# Altium PCB LimeSDR_1v2s.PcbDoc (part 7 of 9) (continued)
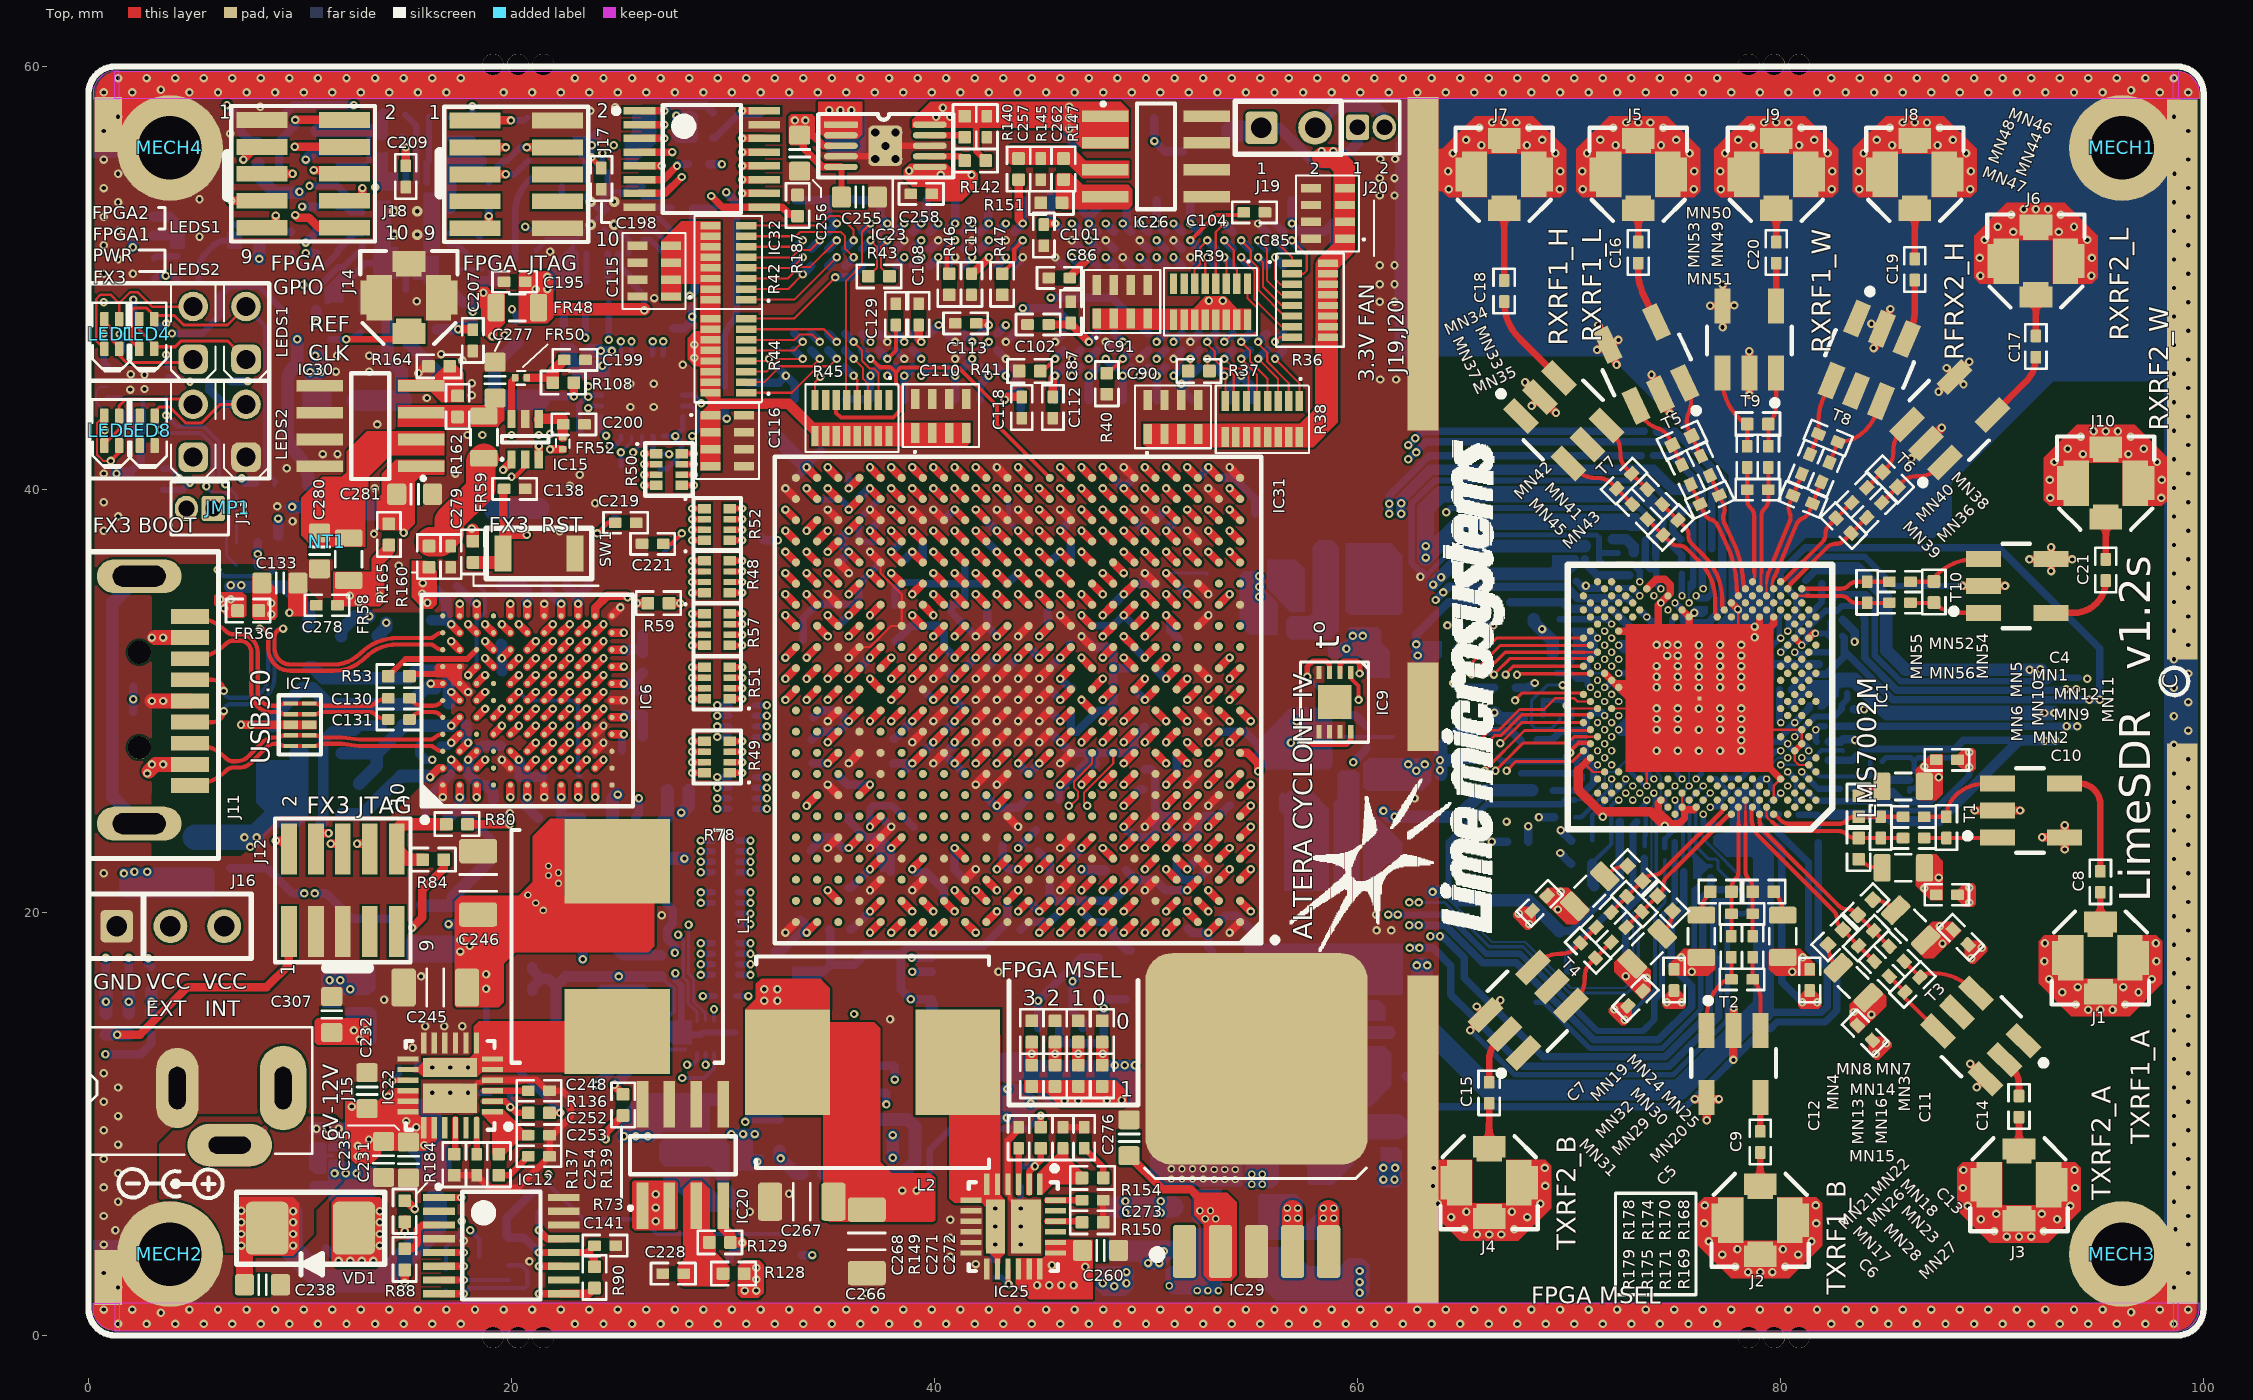
[diagram p0: Top view]
## Nets (pads, with @x,y where several pads share a name; then routed paths per layer and width w, separated by ;. In a path a pad name is that pad's centre, name@x,y a point inside that pad or via, vN(x,y) a via of type N, cw(c..) or ccw(c..) an arc to the next point about the centre after c; other vN are vias at no path point) (continued)
  Bottom w0.25: v1(24.65,42.05) 24.874,42.05 25.175,42.351 IC17.15@25.175,42.525
TCXO_VC: R108.1 R113.2 XT2.1 XT3.1 XT4.1 | length 7.7
  Top w0.4: v1(22.95,44.4) R108.1@22.95,45.05
  Bottom w0.4: XT3.1@21.3,44.2 21.5,44.4 v1(22.95,44.4)
  Bottom w0.6: XT2.1@19.2,44.225 19.2,45.882 R113.2@20.26,46.943
  Bottom w1: XT2.1@19.2,44.225 21.275,44.225 XT3.1@21.3,44.2
TXPLL_CLK: C184.2 R4.2 R97.1 | length 56.7
  L10 w0.1: v1(24.6,47.075) cw(c25.445,47.075) 24.847,47.672 cw(c25.759,46.761) 25.759,48.05 27.073,48.05 cw(c27.073,45.51) 28.869,47.306 cw(c27.164,45.601) 29.575,45.601 29.575,45.594 ccw(c32.115,45.594) 30.091,44.059 ccw(c32.115,45.594) 30.319,43.797 31.009,43.107 cw(c28.985,41.573) 31.525,41.573 31.525,34.875 ccw(c33,34.875) 33,33.4 55.348,33.4 cw(c55.348,30.86) 57.144,32.656 58.256,31.544 ccw(c60.052,33.34) 60.052,30.8 64.404,30.8 ccw(c64.404,30.971) v1(64.525,30.85)
  Bottom w0.309: v1(24.6,47.075) R97.1@24.6,48.813
  Bottom w0.4: v1(64.525,30.85) ccw(c65.068,31.393) 65.068,30.625 R4.2@66.475,30.625
TXRF1_1AB_N: IC1.A7 MN5.1 MN10.1 MN12.1 | length 6.4
  Top w0.2: IC1.A7@79.673,24.648 79.708,24.613 79.756,24.613 80.001,24.369 ccw(c80.426,24.794) 80.426,24.193 82.755,24.193 ccw(c82.755,24.701) 83.114,24.342 83.147,24.374 cw(c83.506,24.015) 83.506,24.523 MN5.1@83.695,24.523 84.095,24.523 84.745,24.523 MN12.1@85.795,24.523
TXRF1_1AB_P: IC1.B8 MN6.1 MN9.2 MN10.2 | length 7.2
  Top w0.11: IC1.B8@79.34,24.981 79.34,24.626 ccw(c79.608,24.626) 79.418,24.436 79.568,24.286
  Top w0.2: 79.611,24.278 79.761,24.128 ccw(c80.426,24.794) 80.426,23.853 82.755,23.853 cw(c82.755,23.345) 83.114,23.704 83.147,23.672 ccw(c83.506,24.031) 83.506,23.523 MN6.1@83.695,23.523 84.745,23.523 MN9.2@85.795,23.523
TXRF1_1BB_N: MN11.1 MN12.2 T1.3 | length 4.2
  Top w0.2: MN12.2@86.795,24.523 MN11.1@87.845,24.523 cw(c89.245,24.523) 88.255,25.512 cw(c89.656,24.111) 89.656,26.093 T1.3@90.113,26.093
TXRF1_1BB_P: MN9.1 MN11.2 T1.1 | length 3.5
  Top w0.2: MN9.1@86.795,23.523 87.195,23.523 MN11.2@87.845,23.523 90.183,23.523 ccw(c90.183,23.625) T1.1@90.255,23.553
TXRF1_2AB_N: IC1.B10 MN21.1 MN26.2 MN28.2 | length 10.2
  Top w0.19: 78.626,24.481 78.626,24.865 cw(c78.79,24.865) IC1.B10@78.674,24.981
  Top w0.2: 78.626,24.481 ccw(c79.876,24.481) 78.992,23.597 82.472,20.117 ; 81.97,20.618 82.405,20.184 ; 82.518,20.071 cw(c82.159,19.712) 82.667,19.712 82.667,19.666 ccw(c83.175,19.666) 82.815,19.307 82.95,19.173 83.232,18.89 MN26.2@83.692,18.43 MN28.2@84.434,17.688
TXRF1_2AB_P: IC1.A9 MN22.1 MN23.2 MN26.1 | length 8.9
  Top w0.2: IC1.A9@79.007,24.648 79.007,24.373 ccw(c79.757,24.373) 79.227,23.843 82.713,20.357 ; 82.758,20.311 ccw(c83.118,20.671) 83.118,20.163 83.163,20.163 cw(c83.163,19.655) 83.523,20.014 83.657,19.88 83.939,19.597 MN26.1@84.399,19.137 MN23.2@85.142,18.395
TXRF1_2BB_N: MN27.1 MN28.1 T3.4 | length 3.5
  Top w0.2: MN28.1@85.142,16.981 MN27.1@85.884,16.238 85.884,16.01 ccw(c86.031,16.01) 85.927,15.906 T3.4@87.444,14.39
TXRF1_2BB_P: MN23.1 MN27.2 T3.6 | length 4
  Top w0.2: MN23.1@85.849,17.688 MN27.2@86.591,16.945 cw(c87.023,16.513) 87.023,17.124 87.249,17.124 cw(c87.249,14.584) 88.987,16.437 cw(c87.249,14.584) 89.032,16.393 cw(c87.249,14.584) 89.045,16.38 T3.6@89.24,16.186
TXRF2_1AB_N: IC1.C11 MN7.1 MN14.1 MN16.1 | length 6.5
  Top w0.11: 78.341,24.809 IC1.C11@78.341,25.314
  Top w0.14: 78.341,24.809 78.341,24.069 78.35,24.059
  Top w0.2: 78.35,24.059 78.35,21.924 ccw(c78.858,21.924) 78.499,21.565 78.532,21.533 cw(c78.173,21.173) 78.681,21.173 MN7.1@78.681,20.984 78.681,20.584 MN14.1@78.68,19.934 MN16.1@78.68,18.884
TXRF2_1AB_P: IC1.B12 MN8.1 MN13.2 MN14.2 | length 6.2
  Top w0.14: IC1.B12@78.008,24.981 cw(c77.979,24.952) 78.02,24.952 78.02,24.069 78.01,24.059
  Top w0.2: MN13.2@77.68,18.884 MN14.2@77.68,19.934 MN8.1@77.68,20.984 77.68,21.173 cw(c78.188,21.173) 77.829,21.533 77.862,21.565 ccw(c77.502,21.924) 78.01,21.924 78.01,24.059
TXRF2_1BB_N: MN15.1 MN16.2 T2.3 | length 3.6
  Top w0.2: MN16.2@78.68,17.884 MN15.1@78.68,16.834 cw(c77.787,15.941) 79.05,15.941 T2.3@79.05,14.424
TXRF2_1BB_P: MN13.1 MN15.2 T2.1 | length 4
  Top w0.2: T2.1@76.51,14.424 76.51,15.014 cw(c78.791,15.014) 77.178,16.626 cw(c77.681,16.124) MN15.2@77.68,16.834 77.68,17.484 MN13.1@77.68,17.884
TXRF2_2AB_N: IC1.B14 MN24.1 MN30.2 MN32.2 | length 7.4
  Top w0.2: MN32.2@71.993,20.007 MN30.2@72.736,20.749 MN24.1@73.478,21.492 73.612,21.626 cw(c73.971,21.266) 73.971,21.774 74.017,21.774 ccw(c74.017,22.282) 74.377,21.923 74.924,22.471 77.242,24.789 cw(c77.466,24.789) 77.307,24.947 IC1.B14@77.342,24.981
TXRF2_2AB_P: IC1.A13 MN25.1 MN29.2 MN30.1 | length 7.4
  Top w0.2: MN29.2@72.7,19.3 MN30.1@73.443,20.042 73.902,20.502 MN25.1@74.185,20.784 74.319,20.919 ccw(c73.96,21.278) 74.468,21.278 74.468,21.324 cw(c74.976,21.324) 74.617,21.683 75.164,22.23 77.482,24.548 ccw(c77.482,24.772) 77.64,24.614 IC1.A13@77.675,24.648
TXRF2_2BB_N: MN31.1 MN32.1 T4.4 | length 3.7
  Top w0.2: T4.4@68.295,17.397 68.503,17.605 cw(c69.58,16.528) 69.58,18.052 69.673,18.052 ccw(c69.673,18.933) 70.296,18.31 MN31.1@70.544,18.557 71.003,19.017 MN32.1@71.286,19.3
TXRF2_2BB_P: MN29.1 MN31.2 T4.6 | length 3.7
  Top w0.2: T4.6@70.091,15.601 70.299,15.809 ccw(c69.221,16.887) 70.745,16.887 70.745,16.979 cw(c71.626,16.979) 71.003,17.602 MN31.2@71.251,17.85 MN29.1@71.993,18.592
VCC1P2: C266.2 C267.2 C294.2 C295.2 C296.2 C297.1 C298.1 C368.1 C369.1 C370.1 C371.1 C372.1 C373.1 C374.1 C375.1 C376.1 C377.1 C378.1 C379.1 C380.1 C381.1 C386.1 C387.1 C388.1 C389.1 C390.1 C391.1 C392.1 C393.1 C394.1 C395.1 C396.1 C397.1 C398.1 C399.1 FR42.2 FR43.2 FR44.2 FR46.1 FR60.1 IC31.G12 IC31.H9 IC31.J10 IC31.J11 IC31.J12 IC31.J13 IC31.J14 IC31.J16 IC31.K9 IC31.K14 IC31.K15 IC31.L9 IC31.L14 IC31.L16 IC31.M9 IC31.M14 IC31.M15 IC31.N9 IC31.N14 IC31.P9 IC31.P10 IC31.P11 IC31.P12 IC31.P13 IC31.P14 IC31.R8 IC31.R10 IC31.R12 L2.2 R149.1 | length 104.2
  Top w0.309: R149.1@45.025,9.85 v1(45.025,10.4)
  Top w0.4: v2(38.95,27.05) IC31.J16@39.45,27.55 ; v2(38.95,29.05) IC31.L16@39.45,29.55 ; v2(39.95,28.05) IC31.K15@40.45,28.55 ; v2(39.95,30.05) IC31.M15@40.45,30.55 ; v2(40.95,27.05) IC31.J14@41.45,27.55 ; v2(40.95,28.05) IC31.K14@41.45,28.55 ; v2(40.95,29.05) IC31.L14@41.45,29.55 ; v2(40.95,30.05) IC31.M14@41.45,30.55 ; v2(40.95,31.05) IC31.N14@41.45,31.55 ; v2(40.95,32.05) IC31.P14@41.45,32.55 ; v2(41.95,27.05) IC31.J13@42.45,27.55 ; v2(41.95,32.05) IC31.P13@42.45,32.55 ; v2(42.95,25.05) IC31.G12@43.45,25.55 ; v2(42.95,27.05) IC31.J12@43.45,27.55 ; v2(42.95,32.05) IC31.P12@43.45,32.55 ; v2(42.95,33.05) IC31.R12@43.45,33.55 ; v2(43.95,27.05) IC31.J11@44.45,27.55 ; v2(43.95,32.05) IC31.P11@44.45,32.55 ; v2(44.95,27.05) IC31.J10@45.45,27.55 ; v2(44.95,32.05) IC31.P10@45.45,32.55 ; v2(44.95,33.05) IC31.R10@45.45,33.55 ; v2(45.95,26.05) IC31.H9@46.45,26.55 ; v2(45.95,28.05) IC31.K9@46.45,28.55 ; v2(45.95,29.05) IC31.L9@46.45,29.55 ; v2(45.95,30.05) IC31.M9@46.45,30.55 ; v2(45.95,31.05) IC31.N9@46.45,31.55 ; v2(45.95,32.05) IC31.P9@46.45,32.55 ; v1(46.95,34.05) IC31.R8@47.45,33.55
  L10 w1.5: 7.625,23.65 7.625,22.6 8.15,22.075 13.7,22.075 14.75,23.125 20.925,23.125 21.425,23.625 27.775,23.625
  L6 w0.4: v2(41.95,32.05) v2(42.95,33.05) ; v2(43.95,32.05) v2(44.95,33.05) 45.95,33.05 v1(46.95,34.05)
  Bottom w0.309: v1(38.475,6.85) v1(39.15,6.85) 39.771,7.471 39.771,8.766 40.775,9.77 44.395,9.77 44.6,9.975 v1(45.025,10.4)
  Bottom w0.4: C388.1@38.05,27.05 v2(38.95,27.05) ; C389.1@38.05,28.225 38.125,28.225 v2(38.95,29.05) ; C295.2@38.15,32.825 38.875,33.55 40.157,33.55 40.45,33.257 C376.1@40.45,32.55 ; 38.625,26.725 v2(38.95,27.05) ; C396.1@39.475,30.525 v2(39.95,30.05) ; v2(39.95,28.05) 39.95,28.025 C390.1@39.425,27.5 39.4,27.5 v2(38.95,27.05) ; C377.1@40.425,31.55 40.45,31.55 v2(40.95,31.05) ; C376.1@40.425,32.55 C376.1@40.45,32.55 ; C298.1@40.475,28.55 40.95,29.025 v2(40.95,29.05) 40.95,29.075 C379.1@41.45,29.575 40.975,30.05 v2(40.95,30.05) ; v2(40.95,28.05) 40.95,27.975 C395.1@40.475,27.5 40.925,27.05 v2(40.95,27.05) 41.375,26.625 C394.1@41.375,26.525 ; v2(40.95,32.05) C376.1@40.45,32.55 ; C373.1@41.475,31.55 41.475,31.575 v2(41.95,32.05) ; v2(41.95,27.05) 42.45,27.55 C393.1@42.45,27.575 ; C399.1@42.4,25.525 42.975,24.95 43.95,24.95 C397.1@44.5,25.5 ; C368.1@42.45,31.575 42.475,31.575 v2(42.95,32.05) ; C296.2@42.5,34.225 42.5,33.5 v2(42.95,33.05) C371.1@43.45,33.55 ; v2(42.95,27.05) 42.95,27.075 C392.1@43.45,27.575 ; C374.1@43.45,31.55 v2(43.95,32.05) ; C297.1@44.425,32.55 44.45,32.55 v2(44.95,32.05) ; C386.1@44.45,27.575 44.45,27.55 v2(43.95,27.05) 43.975,27.05 C398.1@44.5,26.525 44.5,26.6 v2(44.95,27.05) C391.1@45.45,27.55 ; v2(44.95,33.05) 45.35,33.45 C372.1@45.35,34.2 ; C387.1@45.45,28.55 v2(45.95,28.05) 46.45,27.55 47.15,27.55 47.4,27.3 46.15,26.05 v2(45.95,26.05) 45.875,25.975 C370.1@45.875,25.35 ; C378.1@45.475,29.55 45.475,29.525 v2(45.95,29.05) ; C381.1@45.475,30.5 45.5,30.5 v2(45.95,30.05) ; C375.1@45.5,31.55 45.5,31.6 v2(45.95,32.05) 46.4,32.5 C369.1@46.4,32.675 ; v2(45.95,31.05) 46.4,30.6 C380.1@46.525,30.6 ; C294.2@47.375,27.175 47.75,27.55 49.175,27.55 49.45,27.825 49.45,28.275 FR60.1@49.95,28.775
  Bottom w0.6: C294.2@47.4,27.175 C294.2@47.525,27.05
  Bottom w0.9: 7.725,23.55 8.65,24.475 9.775,24.475 FR42.2@9.95,24.65 9.95,27.55 FR43.2@9.975,27.525
  Bottom w1.2: FR46.1@5.05,23.55 7.725,23.55
  other v1: 31.95,15.825 32.575,15.825 31.95,16.375 32.575,16.375 7.65,23.1 7.375,23.55 7.95,23.55
VCC1P2D: C299.2 C300.2 C301.2 C302.1 C303.1 C382.1 C383.1 C384.1 C385.1 FR60.2 IC31.E17 IC31.F6 IC31.U6 IC31.V17 | length 68.1
  Top w0.4: v2(37.95,23.05) IC31.E17@38.45,23.55 ; v2(37.95,37.05) IC31.V17@38.45,36.55 ; v2(48.95,24.05) IC31.F6@49.45,24.55 ; v2(48.95,35.05) IC31.U6@49.45,35.55
  L3 w0.4: v1(32.6,37.6) 32.65,37.55 37.45,37.55 v2(37.95,37.05) ; v2(37.95,23.05) 37.657,23.05 37.157,23.55 36.743,23.55 36.35,23.943 36.35,24.575 38.325,26.55 49.175,26.55 49.725,26 49.725,24.825 v2(48.95,24.05)
  L6 w0.4: v2(37.95,23.05) 38.45,23.55 38.45,36.55 v2(37.95,37.05) ; v2(48.95,24.05) 48.95,24.343 49.45,24.843 49.45,31.843 49.45,33.843 49.45,34.55 v2(48.95,35.05)
  Bottom w0.4: C301.2@31.825,37.725 31.95,37.6 v1(32.6,37.6) ; C299.2@35.95,24.55 35.95,24.343 36.743,23.55 37.475,23.55 C384.1@37.475,23.475 v2@37.925,23.025 ; 37.45,22.55 v2@37.925,23.025 ; C300.2@37.925,21.925 v2@37.925,23.025 ; v2(37.95,37.05) 38.425,37.525 C385.1@38.425,37.575 ; C303.1@48.45,34.575 48.475,34.575 v2(48.95,35.05) ; v2(48.95,24.05) 49.45,23.55 50.157,23.55 50.45,23.843 50.45,24.257 50.743,24.55 ; v2@48.975,35.05 C383.1@49.45,35.525 49.45,35.55 50.45,35.55 C302.1@50.475,35.525 ; FR60.2@49.95,26.775 50.225,26.775 50.425,26.575 50.425,24.868 50.743,24.55 ; C382.1@51.45,24.55 50.743,24.55
VCC1P4_LMS: FR16.1 FR17.2 FR24.2 FR33.2 FR34.2 FR35.2 R141.1 | length 158.5
  L5 w0.7: 61.675,19.975 61.675,21.075 66.65,26.05 67.525,26.05 69.025,27.55 69.025,31.119 67.7,32.444 67.7,35.4 64.875,38.225 62.625,38.225
  L5 w0.8: 62.5,38.35 62.625,38.225
  L5 w1.4: 62.7,26.925 62.375,26.925 61.25,28.05 61.25,37.1 62.5,38.35 62.5,39.15 65.3,41.95 80.75,41.95 84.375,38.325 87.55,38.325 89.594,36.281 89.594,35.049 91.943,32.7 94.5,32.7 95.5,31.7 95.5,30.275 95.1,29.875 94.8,29.875
  Bottom w0.3: v1(61.45,19.9) v1(61.9,19.9) 64.244,19.9 66.091,18.052 67.688,18.052 71.34,14.4 73.5,14.4 74.033,14.933 74.033,15.858 74.4,16.225 74.4,19.85 75.001,20.451 FR17.2@75.001,23.314
  Bottom w0.35: FR33.2@80.001,34.694 80.001,36.091 81.16,37.25 90.325,37.25 95.094,32.481 v1(95.094,30.056) 85.314,30.056 83.076,32.294 83.006,32.294 83.006,32.994 FR35.2@82.931,33.069 ; FR16.1@80.51,30.525 81.249,31.264 82.164,31.264 83.006,32.106 83.006,32.156 FR34.2@83.075,32.225
  Bottom w0.5: v1(62.072,38.85) v1(62.072,39.35) 62.072,39.548 63.449,40.925 73.977,40.925 74.92,39.982 FR24.2@75.658,39.982
  other v1: 62.775,26.7 62.4,27 63.175,27 94.6,30.05
VCC1P8: C222.1 C223.1 C224.1 C229.2 C305.2 C306.2 C307.2 C308.2 C309.2 C310.1 C350.1 C351.1 C352.1 C353.1 C354.1 C355.1 C356.1 C357.1 C358.1 C359.1 C360.1 C361.1 C362.1 C363.1 C364.1 C365.1 C366.1 C367.1 FR38.1 IC17.10 IC17.11 IC17.14 IC18.6 IC18.14 IC18.15 IC18.16 IC31.AA6 IC31.AB2 IC31.AB21 IC31.N4 IC31.P18 IC31.R4 IC31.T19 IC31.U4 IC31.V19 IC31.W4 IC31.W5 IC31.W9 IC31.W11 IC31.W12 IC31.W16 IC31.W18 IC31.Y14 IC31.Y19 R155.1 R166.2 | length 50.7
  Top w0.4: v2(33.95,41.05) IC31.AB21@34.45,40.55 ; v2(35.95,34.05) IC31.T19@36.45,34.55 ; v2(35.95,37.05) IC31.V19@36.45,36.55 ; v2(35.95,38.05) IC31.Y19@36.45,38.55 ; v2(36.95,32.05) IC31.P18@37.45,32.55 ; v2(36.95,38.05) IC31.W18@37.45,37.55 ; v2(38.95,38.05) IC31.W16@39.45,37.55 ; v2(40.95,39.05) IC31.Y14@41.45,38.55 ; v2(42.95,38.05) IC31.W12@43.45,37.55 ; v2(43.95,38.05) IC31.W11@44.45,37.55 ; v2(45.95,38.05) IC31.W9@46.45,37.55 ; v2(48.95,40.05) IC31.AA6@49.45,39.55 ; v2(49.95,38.05) IC31.W5@50.45,37.55 ; v2(50.95,31.05) IC31.N4@51.45,31.55 ; v2(50.95,34.05) IC31.R4@51.45,33.55 ; v2(50.95,36.05) IC31.U4@51.45,35.55 ; v2(50.95,38.05) IC31.W4@51.45,37.55 ; v2(52.95,41.05) IC31.AB2@53.45,40.55
  Bottom w0.15: v1(25.175,41.75) 25.675,42.25 IC17.14@25.675,42.525 ; v2(50.95,36.05) 52.875,36.05 C359.1@52.875,35.975
  Bottom w0.25: C224.1@25.175,41.1 v1(25.175,41.75) ; C223.1@27.025,40.975 27.351,40.975 28.025,41.649 28.025,42.25 v1(27.75,42.525) ; IC17.11@27.175,42.525 v1(27.75,42.525) ; IC17.10@28.1,43.45 28.1,42.875 v1(27.75,42.525) ; C352.1@43.5,39.55 43.5,38.5 v2(43.95,38.05)
  Bottom w0.3: v1(27.75,17.125) 27.75,16.825 28.025,16.55 28.025,14.65 27.9,14.525 ; IC18.15@28.2,14.325 28.2,14.225 28.979,14.225 29.079,14.325 IC18.6@30.55,14.325
  Bottom w0.4: C357.1@33.45,40.55 v2(33.95,41.05) ; R166.2@34.45,40.55 v2(33.95,41.05) ; C308.2@34.625,41.825 33.95,41.15 v2(33.95,41.05) ; C310.1@35.45,33.575 35.925,34.05 v2(35.95,34.05) ; C365.1@35.475,36.525 35.95,37 v2(35.95,37.05) C361.1@35.475,37.525 35.475,37.575 v2(35.95,38.05) ; C350.1@36.5,31.55 36.5,31.6 v2(36.95,32.05) ; v2(36.95,38.05) C364.1@37.45,38.55 ; v2(38.95,38.05) 39.45,37.55 39.45,36.55 C355.1@39.425,36.55 ; C366.1@40.45,38.55 v2(40.95,39.05) ; C356.1@42.45,38.525 42.925,38.05 v2(42.95,38.05) ; C353.1@46.45,36.525 46.45,37.55 v2(45.95,38.05) C351.1@46.45,38.55 ; C309.2@48.45,40.575 v2@48.95,40.075 ; v2(48.95,40.05) v2@48.95,40.075 ; C362.1@49.45,40.575 v2@48.95,40.075 ; C367.1@49.475,38.575 49.475,38.525 v2(49.95,38.05) ; C360.1@50.45,31.525 50.925,31.05 v2(50.95,31.05) ; v2(50.95,34.05) 51.15,33.85 51.15,33.325 C358.1@51.525,32.95 ; v2(50.95,38.05) C363.1@51.425,38.525 ; C354.1@52.45,40.575 52.475,40.575 v2(52.95,41.05) 53.45,40.55 54.157,40.55 55.175,39.532 C306.2@55.175,38.875
  Bottom w0.7: C305.2@32.414,42.586 v2(33.95,41.05)
  other v1: 31.625,8.225 30.4,9.525 30.95,9.525 31.5,9.525 12.825,14 12.55,14.425 13.1,14.425
VCC1P8_DDR2: C81.1 C82.1 C83.1 C84.1 C86.1 C87.1 C88.1 C89.1 C92.1 C93.1 C94.1 C95.1 C96.1 C97.1 C98.1 C99.1 C100.2 C101.2 C102.2 C103.1 C105.2 C106.1 C107.1 C108.1 C109.1 C111.1 C112.1 C113.1 C114.1 C117.1 C118.1 C119.1 C120.1 C121.1 C122.1 C123.1 C124.1 C125.2 C126.2 C127.2 C128.1 C247.2 IC4.A1 IC4.A9 IC4.C1 IC4.C3 IC4.C7 IC4.C9 IC4.E1 IC4.E9 IC4.G1 IC4.G3 IC4.G7 IC4.G9 IC4.J1 IC4.J9 IC4.M9 IC4.R1 IC5.A1 IC5.A9 IC5.C1 IC5.C3 IC5.C7 IC5.C9 IC5.E1 IC5.E9 IC5.G1 IC5.G3 IC5.G7 IC5.G9 IC5.J1 IC5.J9 IC5.M9 IC5.R1 IC23.1 IC23.2 R145.1 | length 71.8
  Top w0.4: C108.1@39.25,47.775 39.25,47.1 v1(39.375,46.975) ; C119.1@41.75,50.2 41.8,50.2 v1(42.575,50.975) ; C113.1@41.975,47.85 42.5,47.85 v1(42.575,47.775) ; v1(43.325,44.25) 43.45,44.375 C118.1@44.125,44.375 ; R145.1@43.975,54.75 43.975,52.775 v1(44.175,52.575) ; C101.2@45.175,52.525 45.225,52.575 v1(45.7,52.575) ; C102.2@45.4,47.8 46.475,47.8 v1(47.3,46.975) ; C112.1@45.6,44.375 45.6,45.275 v1(45.7,45.375) ; C86.1@46.4,50 46.4,50.075 v1(47.3,50.975)
  Bottom w0.4: C123.1@31.15,45.05 32.65,45.05 v1(32.975,45.375) ; IC5.R1@32.575,45.775 v1(32.975,45.375) ; C122.1@33.4,44.275 33.4,44.95 v1(32.975,45.375) ; C247.2@33.45,53.675 34.925,53.675 C117.1@34.95,53.65 ; IC5.M9@34.975,52.175 v1(35.375,52.575) 34.95,53 C117.1@34.95,53.65 ; C107.1@35.825,44.275 C127.2@36.95,44.275 36.95,45.35 v1(36.975,45.375) IC5.J1@37.375,45.775 ; IC5.J9@37.375,52.175 v1(37.775,52.575) 37.425,52.925 C121.1@37.425,53.675 36.325,53.675 36.275,53.725 35.025,53.725 C117.1@34.95,53.65 ; C106.1@38.575,44.25 v1(38.575,45.375) IC5.G1@38.975,45.775 ; IC5.G3@38.975,47.375 v1(39.375,46.975) ; IC5.G7@38.975,50.575 v1(39.375,50.975) ; IC5.G9@38.975,52.175 v1(39.375,52.575) 39.625,52.825 C124.1@39.625,53.675 ; IC5.E1@40.575,45.775 v1(40.975,45.375) C126.2@40.975,44.275 ; IC5.E9@40.575,52.175 v1(40.975,52.575) C109.1@40.975,53.675 ; C111.1@42.175,44.275 42.175,44.975 v1(42.575,45.375) IC5.C1@42.175,45.775 ; IC5.C3@42.175,47.375 v1(42.575,47.775) ; IC5.C7@42.175,50.575 v1(42.575,50.975) ; IC5.C9@42.175,52.175 v1(42.575,52.575) 42.55,52.6 C114.1@42.55,53.675 ; v1(43.325,44.25) 43.875,44.8 ; IC5.A1@43.775,45.775 43.875,45.675 43.875,44.8 ; IC5.A9@43.775,52.175 v1(44.175,52.575) C120.1@44.175,53.7 ; C128.1@44.075,43.825 44.075,44.6 43.875,44.8 ; C92.1@45.5,54.05 45.5,52.775 v1(45.7,52.575) IC4.A1@46.1,52.175 ; C96.1@45.675,44.225 45.675,45.35 v1(45.7,45.375) IC4.A9@46.1,45.775 ; C89.1@47,53.65 47,53.175 47.3,52.875 ; C81.1@47.3,44.225 v1(47.3,45.375) IC4.C9@47.7,45.775 ; v1(47.3,46.975) IC4.C7@47.7,47.375 ; v1(47.3,50.975) IC4.C3@47.7,50.575 ; IC4.C1@47.7,52.175 v1(47.3,52.575) 47.3,52.875 ; C93.1@48.075,53.65 47.3,52.875 ; C82.1@48.9,44.225 v1(48.9,45.375) IC4.E9@49.3,45.775 ; C95.1@49.1,53.65 49.1,52.775 v1(48.9,52.575) IC4.E1@49.3,52.175 ; C83.1@50.5,44.225 v1(50.5,45.375) IC4.G9@50.9,45.775 ; v1(50.5,46.975) IC4.G7@50.9,47.375 ; v1(50.5,50.975) IC4.G3@50.9,50.575 ; C99.1@50.5,53.675 v1(50.5,52.575) IC4.G1@50.9,52.175 ; C103.1@52.1,53.675 v1(52.1,52.575) IC4.J1@52.5,52.175 ; C94.1@52.2,44.225 51.675,44.75 v1(51.675,45) 51.725,45 IC4.J9@52.5,45.775 ; C84.1@53.95,44.225 53.95,44.825 v1(54.5,45.375) ; IC4.M9@54.9,45.775 v1(54.5,45.375) ; C88.1@55.05,44.225 55.05,44.825 v1(54.5,45.375) ; C97.1@56.9,53.675 v1(56.9,52.575) IC4.R1@57.3,52.175 58.425,52.175 58.875,52.625 C98.1@58.875,51.15
  other v1: 35.025,57.925 35.55,57.925 36.075,57.925
VCC1P8_FX3: C143.2 C144.1 C145.1 C146.2 C147.2 C148.1 C149.2 FR38.2 IC6.E3 IC6.F1 IC6.H11 IC6.L9 R75.1 R76.1 R79.1 | length 28.9
  Top w0.4: IC6.E3@19.95,27.625 v2(20.35,27.225) ; v2(20.75,25.459) IC6.F1@20.75,26.025 ; IC6.H11@22.35,34.025 v2(22.35,34.591) ; IC6.L9@24.75,32.425 v2(25.316,32.425)
  L4 w0.6: v2@20.75,25.359 20.75,25.175 23.375,22.55 v1(28.175,22.55)
  L9 w0.5: v2@22.372,34.591 22.922,35.141 23.657,35.141 24.922,33.875 25.443,33.875 25.866,33.453 25.866,32.975 v2(25.316,32.425)
  Bottom w0.5: v2(20.35,27.225) 20.4,27.175 C146.2@20.4,26.425 C144.1@21.45,26.425 ; v2(20.75,25.459) 20.75,24.975 C149.2@21.25,24.475 ; C148.1@21.675,35.425 21.675,35.266 v2(22.35,34.591) ; v2(25.316,32.425) C147.2@26.025,32.425 ; C147.2@26.2,32.25 C145.1@26.2,33.125
  Bottom w0.6: R75.1@24.775,23.5 R76.1@25.85,23.5 26.35,23.5 ; R79.1@27.375,25.775 27.375,24.525 26.35,23.5 ; v1(28.175,22.55) 27.3,22.55 26.35,23.5
  other v1: 12.375,16.375 11.4,16.8 11.9,16.8
VCC1P8_LMS: C4.2 C5.2 C6.2 C7.2 C10.2 C11.2 C12.2 C13.2 FR3.2 FR6.2 FR7.2 FR12.2 FR19.2 FR21.1 FR23.1 FR32.2 FR48.1 MN1.2 MN2.2 MN3.2 MN4.2 MN17.2 MN18.2 MN19.2 MN20.2 R25.2 R27.2 R35.1 R132.1 | length 133.6
  L8 w0.7: 62.687,41.488 64.375,39.8 66.425,39.8 65.3,38.675 65.3,37.2 v1(63.95,35.85) 63.65,35.85
  L8 w1: 90.55,27.6 90.55,29.175 91.925,30.55 93.75,30.55 ; 92.75,26.4 93.8,27.45 93.8,28.825
  L8 w2.5: 66.425,39.8 79.925,39.8 87.025,32.7 87.025,27.225
  Bottom w0.35: v1(62.4,41.425) 63.225,42.25 74.824,42.25 76.751,40.323 FR19.2@76.751,37.194 ; v1(63.45,18.875) 64.031,18.875 65.041,17.866 65.041,16.903 68.768,13.175 74.559,13.175 76.631,15.247 76.631,17.541 76.325,17.847 76.325,20.725 76.685,21.085 FR7.2@76.689,21.085 ; v1(72.685,16.983) 72.685,20.109 73.551,20.975 R25.2@73.551,22.564 ; FR3.2@76.7,21.64 76.7,21.096 FR7.2@76.689,21.085 ; 77.24,21.089 77.236,21.085 FR7.2@76.689,21.085 ; FR21.1@82.654,28.806 v1(93.525,28.806) 94.019,28.806 v1(94.025,28.8) ; FR23.1@83.926,33.939 83.975,33.89 83.975,32.031 85.5,30.506 93.931,30.506 v1(93.975,30.55)
  Bottom w0.4: FR12.2@83.436,25.869 84.131,25.869 84.288,25.712 85.279,25.712 85.721,25.269 87.065,25.269 87.48,25.684 v1(87.48,26.397) 86.98,26.897 v1(86.805,26.897)
  Bottom w0.6: v1(63.572,35.503) 65.394,37.325 R35.1@70.75,37.325
  other v1: 61.225,7.375 61.75,7.375 61.225,7.925 61.775,7.925 84.3,15.171 83.469,15.295 73.666,16.907 75.806,17.199 80.555,17.199 75.306,17.874 81.055,17.874 87.658,18.529 63.9,18.875 87.534,19.36 69.477,20.141 69.6,20.972 86.805,21.148 87.48,21.648 93.5,30.55 62.775,41.75 19.1,47.25 18.675,49.3
VCC1P25_LMS: FR1.2 FR2.1 FR4.1 FR5.1 FR8.2 FR9.1 FR11.2 FR13.2 FR14.1 FR15.2 FR18.1 FR22.2 FR25.2 FR26.2 FR27.1 FR28.1 FR30.1 R29.1 R30.2 R32.1 R33.2 R34.1 R146.1 | length 340.7
  L10 w0.35: 61.272,39.075 v1(61.497,38.85) ; 61.272,39.1 v1(61.497,39.325) ; v1(62.45,19.4) 64.125,19.4 64.55,18.975 68.525,18.975
  L10 w0.6: 58.025,39.075 61.272,39.075
  L10 w0.8: v1(63.55,20.975) 67.582,20.975 69.398,19.159
  L10 w1: v1(63.222,36.778) v1(63.222,37.325) 63.222,38.05 63.75,38.05 64.9,36.9 64.9,35.6 64.013,34.713 ; 65.463,41.862 65.463,41.962
  L10 w1.2: 63.222,38.05 63.222,39.622 65.463,41.862
  L10 w2: 55.425,35.7 55.425,37.8 ; 64,43.425 65.463,41.962 66.575,40.85 80.525,40.85 87.425,33.95 89.306,33.95 v1(91.775,31.481) 91.775,30.2 ; 64.675,17.275 68.13,17.275 69.398,18.543 74.136,18.543 74.768,19.174 80.517,19.174 84.9,23.558 84.9,26.831 88.269,30.2 91.775,30.2 ; 92.225,28.35 92.225,29.75 91.775,30.2
  L10 w2.5: 55.7,37.75 61.225,43.275 ; 61.375,43.425 64,43.425
  Bottom w0.11: 64.425,20.525 66.343,18.607 67.918,18.607 70.097,16.428 72.65,16.428 73.04,16.818 73.04,19.997 73.896,20.853 73.896,24.514 74.342,24.96 74.342,26.01 74.342,26.45 73.776,27.016 73.776,27.785 73.994,28.003 74.631,28.003 R29.1@74.651,28.024 ; 70.251,25.319 70.876,25.319 71.684,26.127 71.684,26.45 71.877,26.643 72.145,26.643 72.846,27.345 FR4.1@72.846,27.544
  Bottom w0.3: 64.3,20.975 64.3,23.3 66.119,25.119 69.651,25.119 69.851,25.319 70.251,25.319
  Bottom w0.35: v1(61.497,38.85) v1(61.497,39.325) 61.497,39.715 63.381,41.6 FR25.2@73.42,41.6 ; v1@62.4,42.075 63.075,42.75 FR5.1@73.565,42.75 ; v1@62.425,19.4 v1(62.45,19.4) v1(62.9,19.4) 64.143,19.4 65.915,17.627 67.512,17.627 71.164,13.975 74.227,13.975 75.805,15.553 75.805,16.511 74.831,17.485 74.831,19.656 75.426,20.251 FR13.2@75.426,21.939 ; R32.1@75.276,37.644 75.251,37.644 74.896,37.999 74.896,38.625 73.796,39.725 73.5,39.725 73.5,39.565 74.446,38.619 74.446,37.795 75.326,36.915 FR22.2@75.326,36.619 ; 79.188,15.274 81.927,15.274 82.205,15.553 82.205,17.396 81.325,18.276 81.325,22.345 79.901,23.769 FR1.2@79.901,24.064 ; FR18.1@80.505,29.775 81.544,30.814 82.689,30.814 ; FR28.1@81.191,35.714 81.587,36.11 ; R30.2@82.251,27.194 83.394,27.194 83.93,27.73 88.23,27.73 88.637,28.137 90.973,28.137 91.287,28.137
  Bottom w0.4: v1(63.693,34.775) v1(64.05,35.132) 64.318,35.4 69.87,35.4 70.406,34.864 71.765,34.864 71.77,34.869 71.772,34.869 71.777,34.864 72.325,34.864 72.33,34.869 72.776,34.869 FR26.2@72.964,34.681 ; 69.55,19.125 70.125,19.125 72.401,21.401 FR2.1@72.401,24.289
  Bottom w0.5: R33.2@82.401,24.629 84.996,24.629 85.306,24.319 87.469,24.319 91.287,28.137 ; 90.973,28.137 v1(93,28.137)
  Bottom w0.6: v1(63.55,20.975) 64.3,20.975 64.7,20.575 68.1,20.575 69.55,19.125 ; 81.752,36.275 83.612,36.275 85.005,34.882 85.005,32.381 85.904,31.481 v1(91.775,31.481) v1@92.325,31.481
  Bottom w0.7: 82.708,30.908 82.794,30.994 83.492,30.994 85.055,29.431 v1(92.475,29.431) v1@92.9,29.431
  Bottom w0.8: 72.726,38.475 64.918,38.475 v1(63.222,36.778) v1(63.222,37.325) 63.222,39.072 63.925,39.775 73.5,39.775
  Bottom w1: 63.05,17.375 63.05,14.8 66.25,11.6 75.211,11.6 79.037,15.426 ; 78.556,23.382 79.188,22.75 79.188,15.274
  other v1: 62.8,17.5 63.3,17.5 92.5,28.125 92.95,29.431 92.275,31.5 55.35,34.925 55.35,35.4 55.35,35.9 62.4,42.1 62.725,42.425
VCC1P25_LMS_DIG: R16.2 R18.2 R20.2 R22.2 R157.1 | length 46.6
  L5 w1.4: 59.85,2.375 59.85,20.9 64.2,25.25 64.2,27.75 62.775,29.175 v1(62.775,32.675)
  Bottom w0.4: 62.95,31.65 62.95,32.1 63.325,32.475 ; R22.2@63.675,32.475 63.325,32.475 ; 63.95,27.875 64.65,28.575 67.25,28.575 R16.2@67.75,28.075 ; R20.2@66.225,34.675 64.3,34.675 62.775,33.15 v1(62.775,32.675) 62.975,32.475 63.325,32.475
  Bottom w0.6: 63.95,26.525 v1@63.95,27.2 ; 63.95,27.875 v1@63.95,27.2 ; R18.2@65.65,27.325 65.025,27.325 64.9,27.2 v1@63.95,27.2
  other v1: 60.1,2.025 60.1,2.525 60.1,3.05 63.9,26.725 63.9,27.2 62.85,32.15
VCC2P5: FR45.2 FR61.1 R125.2 R128.1 R163.1 | length 65.6
  L6 w0.5: v1(6.725,35.475) 9.05,35.475 10.05,34.475 10.05,23.822 6.728,20.5 5.939,20.5 5.175,19.736 5.175,16.35 6.35,15.175 25,15.175 27.525,12.65 27.525,6.972 30.672,3.825 30.95,3.825 v1(31.575,3.2) v1(31.575,2.65)
  Bottom w0.4: R163.1@33.725,3.8 v1(34.225,3.8)
  Bottom w0.6: v1@6.7,35.4 9.3,35.4 10.425,34.275 FR45.2@10.425,33.6 FR45.2@10.325,33.5
  other v1: 31.025,2.125 31.575,2.125 48.5,2.325 47.95,2.475 49.075,2.475 49.075,3 43.425,10.3 44.55,10.975 43.45,11.65 7.225,35.475
VCC2P5A: C311.2 C312.2 C313.2 C314.2 C315.1 C328.1 C329.1 C330.1 C331.1 FR61.2 IC31.F18 IC31.G6 IC31.T6 IC31.U18 J17.4 R169.1 R171.1 R175.1 R176.2 R177.2 R179.1 | length 118.7
  Top w0.4: v1(20.725,56.175) J17.4@22.175,56.175 ; v2(36.95,24.05) IC31.F18@37.45,24.55 ; v2(36.95,36.05) IC31.U18@37.45,35.55 ; v2(48.95,25.05) IC31.G6@49.45,25.55 ; v2(48.95,34.05) IC31.T6@49.45,34.55
  Top w0.6: R179.1@44.6,11.775 R171.1@46.8,11.775 R169.1@47.925,11.775
  L3 w0.4: v2(36.95,24.05) 37.6,24.7 38.175,24.7 40.45,22.425 40.45,17.3 43.625,14.125 47.857,14.125 48.45,13.532 48.45,12.85 v1(48.525,12.775) ; v2(48.95,25.05) 48.45,24.55 43.275,24.55 42.45,23.725 42.45,15.775 43.775,14.45 48.45,14.45 49.475,13.425 v1(49.475,12.775)
  L6 w0.4: v1(20.725,56.175) 20.725,53.2 26.175,47.75 26.175,46.793 27.55,45.418 27.55,44.793 30.393,41.95 35,41.95 36.45,40.5 36.45,36.843 36.95,36.343 v2(36.95,36.05) 36.95,34.875 36.45,34.375 36.45,24.55 v2(36.95,24.05) ; v2(48.95,25.05) 48.45,25.55 48.45,33.55 v2(48.95,34.05)
  Bottom w0.3: R177.2@18.925,54.5 18.925,54.85 19.625,55.55 R176.2@19.75,55.55 ; R176.2@19.8,55.55 20.425,56.175 v1(20.725,56.175)
  Bottom w0.35: C312.2@33.8,32.875 33.8,33.925 34.45,34.575 36.147,34.575 36.425,34.853 C314.2@36.425,35.525 v2(36.95,36.05) C330.1@37.425,36.525 C330.1@37.45,36.525 ; v2(36.95,24.05) 36.95,24.9 37.1,25.05 38,25.05 C311.2@39.025,24.025 ; C329.1@47.425,33.55 48.45,33.55 v2(48.95,34.05) 49.4,33.6 C315.1@49.4,33.55
  Bottom w0.4: v2(48.95,25.05) 49.725,25.825 C328.1@49.875,25.825
  other v1: 46.15,11.1 46.8,11.1 48.15,11.125 48.85,11.125 49,12.775